# KiCad board chastity.kicad_pcb (continued)
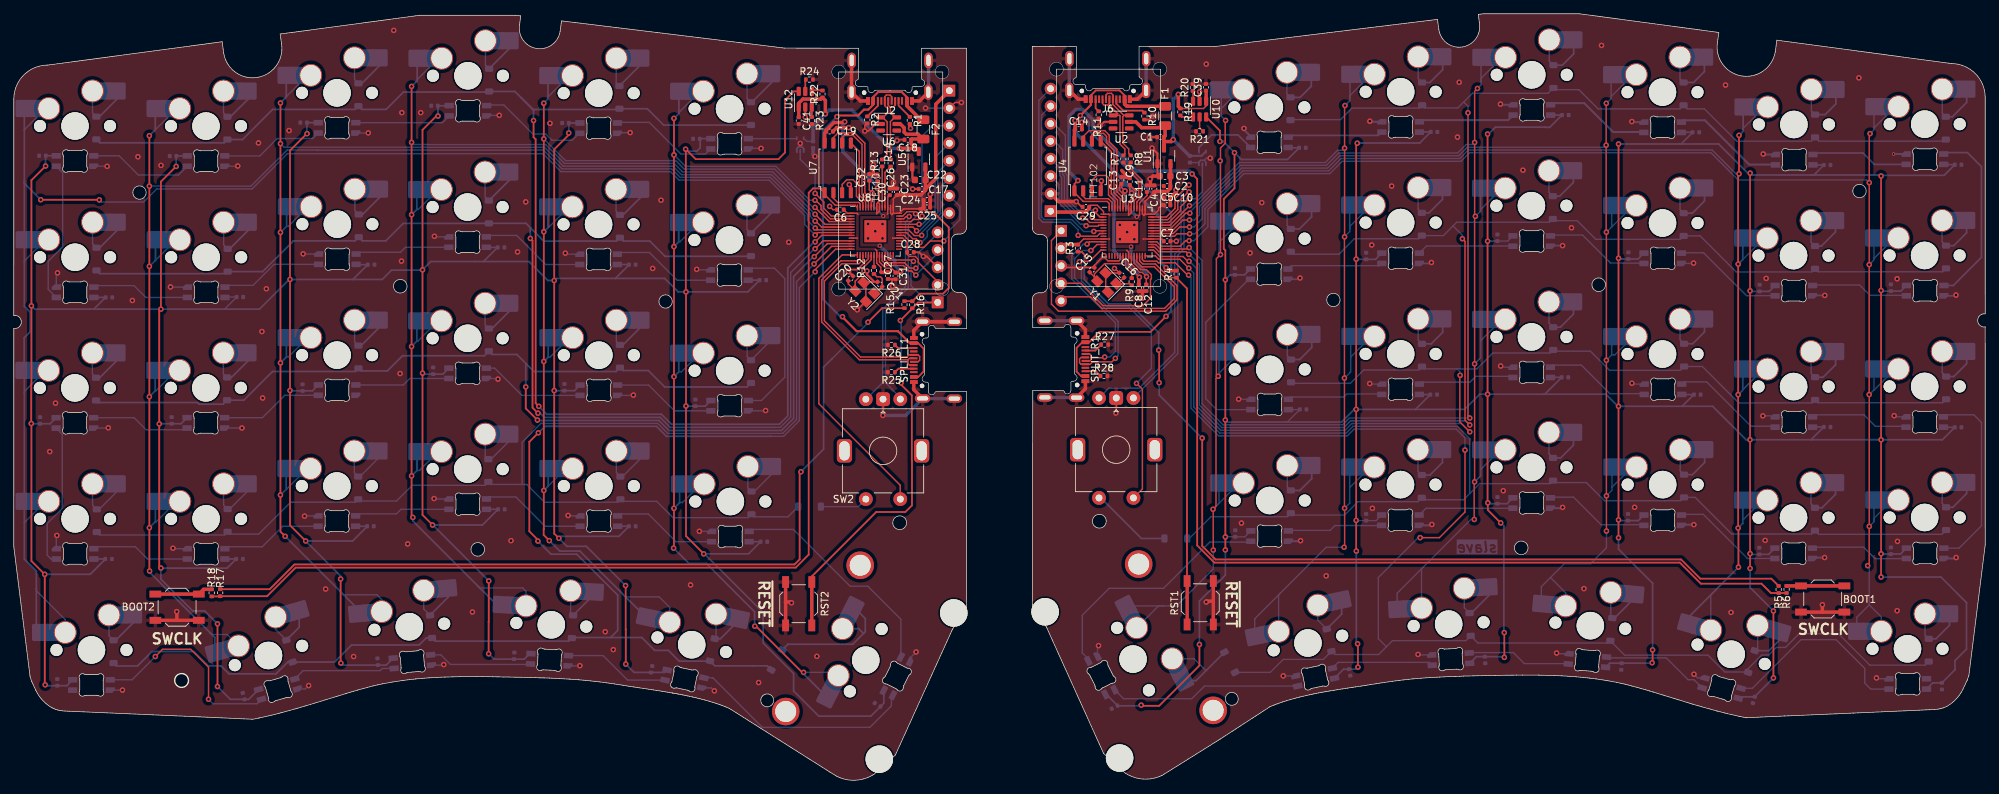
[diagram p0: board, top side]
## Footprints (pads in the part's own frame, mm; a bottom-side part is the same pattern mirrored in y, then rotated)
C_0402_1005Metric
  rrect 0.56x0.62 smd: 1(-0.48,0) 2(0.48,0)
C_0603_1608Metric
  rrect 0.9x0.95 smd: 1(-0.775,0) 2(0.775,0)
Crystal_SMD_3225-4Pin_3.2x2.5mm
  rect 1.4x1.2 smd: 1(-1.1,-0.85) 2(1.1,-0.85) 3(1.1,0.85) 4(-1.1,0.85)
D_SOD-123
  rrect 0.9x1.2 smd: 1(-1.65,0) 2(1.65,0)
DRL5
  rect 0.553x0.254 smd: 1(-0.924,0.5) 2(-0.924,0) 3(-0.924,-0.5) 4(0.924,-0.5) 5(0.924,0.5)
Fuse_1206_3216Metric
  rrect 1.25x1.75 smd: 1(-1.4,0) 2(1.4,0)
LED_MX_6028R
  rrect 1.35x0.82 smd: 1(2.725,0.75) 2(2.725,-0.75) 3(-2.725,0.75) 4(-2.725,-0.75)
PinHeader_1x08_P2.54mm_Horizontal
  rect 1.7x1.7 hole 1: 1(0,0)
  oval 1.7x1.7 hole 1: 2(0,-2.54) 3(0,-5.08) 4(0,-7.62) 5(0,-10.16) 6(0,-12.7) 7(0,-15.24) 8(0,-17.78)
PinSocket_1x05_P2.54mm_Horizontal
  rect 1.7x1.7 hole 1: 1(0,0)
  oval 1.7x1.7 hole 1: 2(0,-2.54) 3(0,-5.08) 4(0,-7.62) 5(0,-10.16)
QFN-56-1EP_7x7mm_P0.4mm_EP3.2x3.2mm
  rrect 1.29x1.29 smd: (-0.8,0.8) (-0.8,-0.8) (0.8,0.8) (0.8,-0.8)
  rrect 0.875x0.2 smd: 1(-3.438,2.6) 2(-3.438,2.2) 3(-3.438,1.8) 4(-3.438,1.4) 5(-3.438,1) 6(-3.438,0.6) 7(-3.438,0.2) 8(-3.438,-0.2) 9(-3.438,-0.6) 10(-3.438,-1) 11(-3.438,-1.4) 12(-3.438,-1.8) 13(-3.438,-2.2) 14(-3.438,-2.6) 29(3.438,-2.6) 30(3.438,-2.2) 31(3.438,-1.8) 32(3.438,-1.4) 33(3.438,-1) 34(3.438,-0.6) 35(3.438,-0.2) 36(3.438,0.2) 37(3.438,0.6) 38(3.438,1) 39(3.438,1.4) 40(3.438,1.8) 41(3.438,2.2) 42(3.438,2.6)
  rrect 0.2x0.875 smd: 15(-2.6,-3.438) 16(-2.2,-3.438) 17(-1.8,-3.438) 18(-1.4,-3.438) 19(-1,-3.438) 20(-0.6,-3.438) 21(-0.2,-3.438) 22(0.2,-3.438) 23(0.6,-3.438) 24(1,-3.438) 25(1.4,-3.438) 26(1.8,-3.438) 27(2.2,-3.438) 28(2.6,-3.438) 43(2.6,3.438) 44(2.2,3.438) 45(1.8,3.438) 46(1.4,3.438) 47(1,3.438) 48(0.6,3.438) 49(0.2,3.438) 50(-0.2,3.438) 51(-0.6,3.438) 52(-1,3.438) 53(-1.4,3.438) 54(-1.8,3.438) 55(-2.2,3.438) 56(-2.6,3.438)
  rect 3.2x3.2 smd: 57(0,0)
R_0402_1005Metric
  rrect 0.54x0.64 smd: 1(-0.51,0) 2(0.51,0)
ROT_Alps_EC11E-Switch
  round 2 hole 1: A(-2.5,-7.5) B(2.5,-7.5) S1(2.5,7) S2(-2.5,7)
  rrect 2x2 hole 1: C(0,-7.5)
  rrect 2.2x3.4 hole 1.5x2.8: MP(-5.6,0) MP(5.6,0)
SOIC-8_5.23x5.23mm_P1.27mm
  rrect 1.6x0.6 smd: 1(-3.6,1.905) 2(-3.6,0.635) 3(-3.6,-0.635) 4(-3.6,-1.905) 5(3.6,-1.905) 6(3.6,-0.635) 7(3.6,0.635) 8(3.6,1.905)
SOT-23-3
  rrect 1.325x0.6 smd: 1(-1.137,0.95) 2(-1.137,-0.95) 3(1.137,0)
SOT-23-6
  rrect 1.325x0.6 smd: 1(-1.137,0.95) 2(-1.137,0) 3(-1.137,-0.95) 4(1.137,-0.95) 5(1.137,0) 6(1.137,0.95)
SOT-23-6-routable
  rrect 1.25x0.6 smd: 1(-1.175,0.95) 2(-1.175,0) 3(-1.175,-0.95) 4(1.175,-0.95) 5(1.175,0) 6(1.175,0.95)
STAB_MX_P_2u
  round 4 hole 3.048: (-11.906,6.985) (11.906,6.985)
  round 3.988 hole 3.988 unplated: (-11.906,-8.255) (11.906,-8.255)
SW_MX_HS_1u
  round 1.75 hole 1.75 unplated: (-5.08,0) (5.08,0)
  round 3.988 hole 3.988 unplated: (0,0)
  round 3.3 hole 3: 1(3.81,2.54) 2(-2.54,5.08)
  rect 1.65x2.5 smd: 1(5.635,2.54) 2(-4.34,5.08)
  rrect 2.55x2.5 smd: 1(7.36,2.54) 2(-6.09,5.08)
SW_SPST_TL3342
  rect 1.7x1 smd: 1(-3.15,1.9) 1(3.15,1.9) 2(-3.15,-1.9) 2(3.15,-1.9)
USB_C_Receptacle_HRO_TYPE-C-31-M-14
  round 0.65 hole 0.65 unplated: (-3.75,0) (3.75,0)
  rect 0.54x1.1 smd: A1(-3.2,1.2) A4(-2.45,1.2) A9(2.45,1.2) A12(3.2,1.2) B1(3.2,1.2) B4(2.45,1.2) B9(-2.45,1.2) B12(-3.2,1.2)
  rect 0.3x1.1 smd: A5(-1.25,1.2) A6(-0.25,1.2) A7(0.25,1.2) A8(1.25,1.2) B5(1.75,1.2) B6(0.75,1.2) B7(-0.75,1.2) B8(-1.75,1.2)
  oval 1.2x2.25 hole 0.6x1.65: S1(-5.595,-4.68) S1(-5.575,-0.08) S1(5.555,-4.68) S1(5.575,-0.08)

## Nets
+1V1: C11.1 C12.1 C13.1 C30.1 C31.1 C32.1 U3.23 U3.45 U3.50 U8.23 U8.45 U8.50
+3V3: C2.1 C3.1 C4.1 C5.1 C6.1 C7.1 C8.1 C9.1 C10.1 C14.1 C17.1 C19.1 C22.1 C23.1 C24.1 C25.1 C26.1 C27.1 C28.1 C29.1 J1.1 J3.1 J4.2 J8.2 R3.2 R4.2 R15.2 R16.2 U1.2 U3.1 U3.10 U3.22 U3.33 U3.42 U3.43 U3.44 U3.48 U3.49 U4.8 U5.2 U7.8 U8.1 U8.10 U8.22 U8.33 U8.42 U8.43 U8.44 U8.48 U8.49
+5V: C1.1 C18.1 C33.2 C39.1 C40.2 C41.1 F1.2 F2.2 R19.1 R22.1 U1.3 U2.5 U5.3 U6.5 U9.5 U10.1 U11.5 U12.1
GND: BOOT1.1 BOOT2.1 C1.2 C2.2 C3.2 C4.2 C5.2 C6.2 C7.2 C8.2 C9.2 C10.2 C11.2 C12.2 C13.2 C14.2 C15.1 C16.2 C17.2 C18.2 C19.2 C20.1 C21.2 C22.2 C23.2 C24.2 C25.2 C26.2 C27.2 C28.2 C29.2 C30.2 C31.2 C32.2 C33.1 C39.2 C40.1 C41.2 C101.1 C102.1 C103.1 C104.1 C105.1 C106.1 C107.1 C108.1 C109.1 C110.1 C111.1 C112.1 C113.1 C114.1 C115.1 C116.1 C117.1 C118.1 C119.1 C120.1 C121.1 C122.1 C123.1 C124.1 C125.1 C126.1 C127.1 C128.1 C129.1 C130.1 C131.1 C132.1 C133.1 C134.1 C135.1 C136.1 C137.1 C138.1 C139.1 C140.1 C141.1 C142.1 C143.1 C144.1 C145.1 C146.1 C147.1 C148.1 C149.1 C150.1 C151.1 C152.1 C153.1 C154.1 C155.1 C156.1 C157.1 C158.1 C159.1 C160.1 J1.2 J2.A1 J2.A12 J2.B1 J2.B12 J2.S1 J3.2 J4.3 J6.A1 J6.A12 J6.B1 J6.B12 J6.S1 J8.3 LED1.4 LED2.4 LED3.4 LED4.4 LED5.4 LED6.4 LED7.4 LED8.4 LED9.4 LED10.4 LED11.4 LED12.4 LED13.4 LED14.4 LED15.4 LED16.4 LED17.4 LED18.4 LED19.4 LED20.4 LED21.4 LED22.4 LED23.4 LED24.4 LED25.4 LED26.4 LED27.4 LED28.4 LED29.4 LED30.4 LED31.4 LED32.4 LED33.4 LED34.4 LED35.4 LED36.4 LED37.4 LED38.4 LED39.4 LED40.4 LED41.4 LED42.4 LED43.4 LED44.4 LED45.4 LED46.4 LED47.4 LED48.4 LED49.4 LED50.4 LED51.4 LED52.4 LED53.4 LED54.4 LED55.4 LED56.4 LED57.4 LED58.4 LED59.4 LED60.4 R1.2 R2.2 R10.2 R11.2 R20.2 R21.2 R23.2 R24.2 R25.2 R26.2 R27.2 R28.2 RST1.1 RST2.1 SPLIT_L1.A1 SPLIT_L1.A12 SPLIT_L1.B1 SPLIT_L1.B12 SPLIT_L1.S1 SPLIT_R1.A1 SPLIT_R1.A12 SPLIT_R1.B1 SPLIT_R1.B12 SPLIT_R1.S1 SW1.C SW2.C U1.1 U2.2 U3.19 U3.57 U4.4 U5.1 U6.2 U7.4 U8.19 U8.57 U9.1 U9.3 U10.2 U11.1 U11.3 U12.2 Y1.2 Y1.4 Y2.2 Y2.4
bl: J1.8 U3.8
bl_L: J3.8 U8.35
clk: J1.4 U3.4
clk_L: J3.4 U8.38
col 0: SW1.S2 U3.14
col 0_L: SW2.S2 U8.15
col 1: MX1.1 MX7.1 MX13.1 MX19.1 MX25.1 U3.32
col 1_L: MX31.1 MX37.1 MX43.1 MX49.1 MX55.1 U8.3
col 2: MX2.1 MX8.1 MX14.1 MX20.1 MX26.1 U3.34
col 2_L: MX32.1 MX38.1 MX44.1 MX50.1 MX56.1 U8.4
col 3: MX3.1 MX9.1 MX15.1 MX21.1 MX27.1 U3.35
col 3_L: MX33.1 MX39.1 MX45.1 MX51.1 MX57.1 U8.5
col 4: MX4.1 MX10.1 MX16.1 MX22.1 MX28.1 U3.36
col 4_L: MX34.1 MX40.1 MX46.1 MX52.1 MX58.1 U8.6
col 5: MX5.1 MX11.1 MX17.1 MX23.1 MX29.1 U3.37
col 5_L: MX35.1 MX41.1 MX47.1 MX53.1 MX59.1 U8.7
col 6: MX6.1 MX12.1 MX18.1 MX24.1 MX30.1 U3.38
col 6_L: MX36.1 MX42.1 MX48.1 MX54.1 MX60.1 U8.8
cs: J1.5 U3.3
cs_L: J3.5 U8.37
CURR_LIM: R21.1 U10.5
CURR_LIM_L: R24.1 U12.5
D+: J6.A6 J6.B6 R7.2 U2.1
D-: J6.A7 J6.B7 R8.2 U2.6
D_Split_L+: SPLIT_L1.A6 SPLIT_L1.B6 U8.17
D_Split_L-: SPLIT_L1.A7 SPLIT_L1.B7 U8.16
D_Split_R+: SPLIT_R1.A6 SPLIT_R1.B6 U3.12
D_Split_R-: SPLIT_R1.A7 SPLIT_R1.B7 U3.11
dc: J1.6 U3.2
dc_L: J3.6 U8.36
DIN: J1.3 U3.5
DIN_L: J3.3 U8.39
DL+: J2.A6 J2.B6 R13.2 U6.1
DL-: J2.A7 J2.B7 R14.2 U6.6
LED_Data_3V3: U3.39 U9.2
LED_Data_3V3_L: U8.2 U11.2
LED_Data_5V: LED31.3 U9.4
LED_Data_5V_L: LED1.3 U11.4
LED_Pow_5V: C131.2 C132.2 C133.2 C134.2 C135.2 C136.2 C137.2 C138.2 C139.2 C140.2 C141.2 C142.2 C143.2 C144.2 C145.2 C146.2 C147.2 C148.2 C149.2 C150.2 C151.2 C152.2 C153.2 C154.2 C155.2 C156.2 C157.2 C158.2 C159.2 C160.2 LED31.1 LED32.1 LED33.1 LED34.1 LED35.1 LED36.1 LED37.1 LED38.1 LED39.1 LED40.1 LED41.1 LED42.1 LED43.1 LED44.1 LED45.1 LED46.1 LED47.1 LED48.1 LED49.1 LED50.1 LED51.1 LED52.1 LED53.1 LED54.1 LED55.1 LED56.1 LED57.1 LED58.1 LED59.1 LED60.1 U10.6
LED_Pow_5V_L: C101.2 C102.2 C103.2 C104.2 C105.2 C106.2 C107.2 C108.2 C109.2 C110.2 C111.2 C112.2 C113.2 C114.2 C115.2 C116.2 C117.2 C118.2 C119.2 C120.2 C121.2 C122.2 C123.2 C124.2 C125.2 C126.2 C127.2 C128.2 C129.2 C130.2 LED1.1 LED2.1 LED3.1 LED4.1 LED5.1 LED6.1 LED7.1 LED8.1 LED9.1 LED10.1 LED11.1 LED12.1 LED13.1 LED14.1 LED15.1 LED16.1 LED17.1 LED18.1 LED19.1 LED20.1 LED21.1 LED22.1 LED23.1 LED24.1 LED25.1 LED26.1 LED27.1 LED28.1 LED29.1 LED30.1 U12.6
Q_CLK: U3.52 U4.6
Q_CLK_L: U7.6 U8.52
Q_IO0: U3.53 U4.5
Q_IO0_L: U7.5 U8.53
Q_IO1: U3.55 U4.2
Q_IO1_L: U7.2 U8.55
Q_IO2: U3.54 U4.3
Q_IO2_L: U7.3 U8.54
Q_IO3: U3.51 U4.7
Q_IO3_L: U7.7 U8.51
Q_SEL: R5.1 R6.1 U3.56 U4.1
Q_SEL_L: R17.1 R18.1 U7.1 U8.56
RESET: J4.1 R4.1 RST1.2 U3.26
RESET_L: J8.1 R16.1 RST2.2 U8.26
rot A: SW1.A U3.40
rot A_L: SW2.A U8.41
rot B: SW1.B U3.41
rot B_L: SW2.B U8.40
row 0: D1.1 D2.1 D3.1 D4.1 D5.1 D6.1 U3.31
row 0_L: D33.1 D34.1 D35.1 D36.1 D37.1 D38.1 U8.9
row 1: D7.1 D8.1 D9.1 D10.1 D11.1 D12.1 U3.30
row 1_L: D39.1 D40.1 D41.1 D42.1 D43.1 D44.1 U8.11
row 2: D13.1 D14.1 D15.1 D16.1 D17.1 D18.1 U3.29
row 2_L: D45.1 D46.1 D47.1 D48.1 D49.1 D50.1 U8.12
row 3: D19.1 D20.1 D21.1 D22.1 D23.1 D24.1 D31.1 U3.28
row 3_L: D51.1 D52.1 D53.1 D54.1 D55.1 D56.1 D57.1 U8.13
row 4: D25.1 D26.1 D27.1 D28.1 D29.1 D30.1 U3.27
row 4_L: D58.1 D59.1 D60.1 D61.1 D62.1 D63.1 U8.14
rst: J1.7 U3.7
rst_L: J3.7 U8.34
SK6803_EN: R20.1 U10.3
SK6803_EN_L: R23.1 U12.3
SK6803_NFAULT: R19.2 U10.4
SK6803_NFAULT_L: R22.2 U12.4
Split_5v5_L: F1.1 F2.1 J2.A4 J2.A9 J2.B4 J2.B9 J6.A4 J6.A9 J6.B4 J6.B9 SPLIT_L1.A4 SPLIT_L1.A9 SPLIT_L1.B4 SPLIT_L1.B9 SPLIT_R1.A4 SPLIT_R1.A9 SPLIT_R1.B4 SPLIT_R1.B9
SWC: J4.4 U3.24
SWC_L: J8.4 U8.24
SWD: J4.5 U3.25
SWD_L: J8.5 U8.25
XIN: C15.2 U3.20 Y1.3
XIN_L: C20.2 U8.20 Y2.3
XOUT: R9.1 U3.21
XOUT_L: R12.1 U8.21
Net-(BOOT1-Pad2): BOOT1.2 R6.2
Net-(BOOT2-Pad2): BOOT2.2 R18.2
Net-(C16-Pad1): C16.1 R9.2 Y1.1
Net-(C21-Pad1): C21.1 R12.2 Y2.1
Net-(D1-A): D1.2 MX1.2
Net-(D2-A): D2.2 MX2.2
Net-(D3-A): D3.2 MX3.2
Net-(D4-A): D4.2 MX4.2
Net-(D5-A): D5.2 MX5.2
Net-(D6-A): D6.2 MX6.2
Net-(D7-A): D7.2 MX7.2
Net-(D8-A): D8.2 MX8.2
Net-(D9-A): D9.2 MX9.2
Net-(D10-A): D10.2 MX10.2
Net-(D11-A): D11.2 MX11.2
Net-(D12-A): D12.2 MX12.2
Net-(D13-A): D13.2 MX13.2
Net-(D14-A): D14.2 MX14.2
Net-(D15-A): D15.2 MX15.2
Net-(D16-A): D16.2 MX16.2
Net-(D17-A): D17.2 MX17.2
Net-(D18-A): D18.2 MX18.2
Net-(D19-A): D19.2 MX19.2
Net-(D20-A): D20.2 MX20.2
Net-(D21-A): D21.2 MX21.2
Net-(D22-A): D22.2 MX22.2
Net-(D23-A): D23.2 MX23.2
Net-(D24-A): D24.2 MX24.2
Net-(D25-A): D25.2 MX25.2
Net-(D26-A): D26.2 MX26.2
Net-(D27-A): D27.2 MX27.2
Net-(D28-A): D28.2 MX28.2
Net-(D29-A): D29.2 MX29.2
Net-(D30-A): D30.2 MX30.2
Net-(D31-A): D31.2 SW1.S1
Net-(D33-A): D33.2 MX31.2
Net-(D34-A): D34.2 MX32.2
Net-(D35-A): D35.2 MX33.2
Net-(D36-A): D36.2 MX34.2
Net-(D37-A): D37.2 MX35.2
Net-(D38-A): D38.2 MX36.2
Net-(D39-A): D39.2 MX37.2
Net-(D40-A): D40.2 MX38.2
Net-(D41-A): D41.2 MX39.2
Net-(D42-A): D42.2 MX40.2
Net-(D43-A): D43.2 MX41.2
Net-(D44-A): D44.2 MX42.2
Net-(D45-A): D45.2 MX43.2
Net-(D46-A): D46.2 MX44.2
Net-(D47-A): D47.2 MX45.2
Net-(D48-A): D48.2 MX46.2
Net-(D49-A): D49.2 MX47.2
Net-(D50-A): D50.2 MX48.2
Net-(D51-A): D51.2 SW2.S1
Net-(D52-A): D52.2 MX49.2
Net-(D53-A): D53.2 MX50.2
Net-(D54-A): D54.2 MX51.2
Net-(D55-A): D55.2 MX52.2
Net-(D56-A): D56.2 MX53.2
Net-(D57-A): D57.2 MX54.2
Net-(D58-A): D58.2 MX55.2
Net-(D59-A): D59.2 MX56.2
Net-(D60-A): D60.2 MX57.2
Net-(D61-A): D61.2 MX58.2
Net-(D62-A): D62.2 MX59.2
Net-(D63-A): D63.2 MX60.2
Net-(J2-CC1): J2.A5 R1.1
Net-(J2-CC2): J2.B5 R2.1
Net-(J6-CC1): J6.A5 R10.1
Net-(J6-CC2): J6.B5 R11.1
Net-(LED1-DOUT): LED1.2 LED2.3
Net-(LED2-DOUT): LED2.2 LED3.3
Net-(LED3-DOUT): LED3.2 LED4.3
Net-(LED4-DOUT): LED4.2 LED5.3
Net-(LED5-DOUT): LED5.2 LED6.3
Net-(LED7-DIN): LED7.3 LED8.2
Net-(LED8-DIN): LED8.3 LED9.2
Net-(LED10-DIN): LED10.3 LED11.2
Net-(LED10-DOUT): LED9.3 LED10.2
Net-(LED11-DIN): LED11.3 LED12.2
Net-(LED12-DIN): LED6.2 LED12.3
Net-(LED13-DIN): LED7.2 LED13.3
Net-(LED13-DOUT): LED13.2 LED14.3
Net-(LED14-DOUT): LED14.2 LED15.3
Net-(LED15-DOUT): LED15.2 LED16.3
Net-(LED16-DOUT): LED16.2 LED17.3
Net-(LED17-DOUT): LED17.2 LED18.3
Net-(LED18-DOUT): LED18.2 LED24.3
Net-(LED19-DIN): LED19.3 LED20.2
Net-(LED19-DOUT): LED19.2 LED25.3
Net-(LED20-DIN): LED20.3 LED21.2
Net-(LED21-DIN): LED21.3 LED22.2
Net-(LED22-DIN): LED22.3 LED23.2
Net-(LED23-DIN): LED23.3 LED24.2
Net-(LED25-DOUT): LED25.2 LED26.3
Net-(LED26-DOUT): LED26.2 LED27.3
Net-(LED27-DOUT): LED27.2 LED28.3
Net-(LED28-DOUT): LED28.2 LED29.3
Net-(LED29-DOUT): LED29.2 LED30.3
Net-(LED31-DOUT): LED31.2 LED32.3
Net-(LED32-DOUT): LED32.2 LED33.3
Net-(LED33-DOUT): LED33.2 LED34.3
Net-(LED34-DOUT): LED34.2 LED35.3
Net-(LED35-DOUT): LED35.2 LED36.3
Net-(LED36-DOUT): LED36.2 LED42.3
Net-(LED37-DIN): LED37.3 LED38.2
Net-(LED37-DOUT): LED37.2 LED43.3
Net-(LED38-DIN): LED38.3 LED39.2
Net-(LED39-DIN): LED39.3 LED40.2
Net-(LED40-DIN): LED40.3 LED41.2
Net-(LED41-DIN): LED41.3 LED42.2
Net-(LED43-DOUT): LED43.2 LED44.3
Net-(LED44-DOUT): LED44.2 LED45.3
Net-(LED45-DOUT): LED45.2 LED46.3
Net-(LED46-DOUT): LED46.2 LED47.3
Net-(LED47-DOUT): LED47.2 LED48.3
Net-(LED48-DOUT): LED48.2 LED54.3
Net-(LED49-DIN): LED49.3 LED50.2
Net-(LED49-DOUT): LED49.2 LED55.3
Net-(LED50-DIN): LED50.3 LED51.2
Net-(LED51-DIN): LED51.3 LED52.2
Net-(LED52-DIN): LED52.3 LED53.2
Net-(LED53-DIN): LED53.3 LED54.2
Net-(LED55-DOUT): LED55.2 LED56.3
Net-(LED56-DOUT): LED56.2 LED57.3
Net-(LED57-DOUT): LED57.2 LED58.3
Net-(LED58-DOUT): LED58.2 LED59.3
Net-(LED59-DOUT): LED59.2 LED60.3
Net-(R3-Pad1): R3.1 R5.2
Net-(R15-Pad1): R15.1 R17.2
Net-(SPLIT_L1-CC1): R25.1 SPLIT_L1.A5
Net-(SPLIT_L1-CC2): R26.1 SPLIT_L1.B5
Net-(SPLIT_R1-CC1): R27.1 SPLIT_R1.A5
Net-(SPLIT_R1-CC2): R28.1 SPLIT_R1.B5
Net-(U3-USB_DM): R8.1 U3.46
Net-(U3-USB_DP): R7.1 U3.47
Net-(U8-USB_DM): R14.1 U8.46
Net-(U8-USB_DP): R13.1 U8.47

Pads without a net: J2 A8 B8; J6 A8 B8; LED30 2; LED60 2; SPLIT_L1 A8 B8; SPLIT_R1 A8 B8; SW1 MP; SW2 MP; U2 3 4; U3 6 9 13 15 16 17 18; U6 3 4; U8 18 27 28 29 30 31 32

## Via types
v1: diameter 0.8, hole 0.4, Top to Bottom, 404 vias
v2: diameter 0.5, hole 0.3, Top to Bottom, 1 via
v3: diameter 0.6, hole 0.35, Top to Bottom, 4 vias

## Routing (per net, layer and track width the routed paths; a pad name or vN(x,y) marks a point on that pad's centre or on a via; arc(x,y) is an arc through that point)
+1V1: length 45.5
  Top w0.2: C32.1 124.16,85.64 v1(124.57,85.23) 124.83,84.97 U8.50 ; 127.95,73.69 127.37,74.28 126.53,74.28 125.63,75.18 U8.23 ; C12.1 164.35,73.03 v1(164.39,73.06) 163.77,73.68 163.37,73.68 162.18,74.87 U3.23 ; v1(161.26,85.5) 160.74,86.03 C13.1 160.47,86.28 160.47,85.57 161.38,84.67 U3.50 ; C11.1 164.45,84.82 163.38,83.75 U3.45 163.38,82.02 163.15,81.79 ; 126.75,82.12 126.83,82.19 U8.45 126.83,84.6 C30.1
  Top w0.5: C31.1 128.58,73.65 128.7,73.78 v1(128.7,73.85)
  Bottom w0.3: v3(126.19,81.85) 124.77,83.27 124.77,85.03 v1(124.57,85.23)
  Bottom w0.5: v1(164.39,73.06) 164.39,73.62 162.14,75.86 v3(162.14,77.42) ; v1(128.7,73.85) 127.84,74.71 127.84,75.47 127.74,75.47 v3(125.67,77.55) ; v3(162.97,81.74) 161.26,83.45 v1(161.26,85.5)
+3V3: length 196.4
  Top w0.2: 131.48,82.89 131.48,82.89 129.1,82.89 U8.42 127.61,82.25 127.42,82.07 ; 127.42,82.07 127.63,82.27 U8.43 127.63,84.34 C23.1 ; 127.42,82.07 127.23,82.26 U8.44 ; 125.43,83.85 125.63,83.65 U8.48 125.63,82.58 125.23,82.18 U8.49 125.23,83.65 125.43,83.85 ; 125.43,83.85 125.63,84.05 125.63,85.58 v1(125.33,85.88) 125.34,85.9 C26.1 ; 125.83,73.74 125.83,74.42 125.23,75.02 U8.22 125.23,76.82 125.02,77.02 ; U3.44 163.78,82.15 163.98,81.95 ; C7.1 166.57,78.52 U3.33 163.9,78.52 163.89,78.52 ; C6.1 120.97,82.25 U8.1 122.36,82.25 122.52,82.09 ; 161.53,76.91 161.53,76.86 161.78,76.62 U3.22 161.78,74.55 v1(163.35,72.98) ; U8.10 122.42,78.65 122.43,78.66 ; 127.53,78.65 127.54,78.65 U8.33 129,78.65 129.65,78 C28.1 129.65,76.31 129.97,75.99 130.84,75.99 131.26,75.57 131.26,75.14 134.07,72.32 ; 166.6,83.46 166.14,82.99 166.14,82.72 165.54,82.12 U3.42 164.16,82.12 163.98,81.95 ; 163.98,81.95 164.18,82.14 U3.43 164.18,83.98 C4.1 ; 162.13,84.2 161.78,83.85 U3.49 161.78,81.96 162.18,82.36 U3.48 162.18,83.71 161.97,83.92 161.97,84.04 162.85,84.92 162.85,85.48 C9.1 161.95,85.8 161.96,85.79 161.96,85.46 v1(162.22,85.2) ; C29.1 156.31,83.41 157.25,83.41 158.14,82.52 U3.1 158.95,82.12 159.08,81.99 ; 159.01,78.53 159,78.52 U3.10 155.26,78.52 R3.2
  Top w0.25: C25.1 132.03,82.88 132.49,82.43 133.46,82.43 135.68,80.2 135.68,71.42 134.86,70.6 131.49,70.6 130.41,69.51 R15.2
  Top w0.5: C4.1 165.63,85.43 167.4,85.43 167.85,85.88 C2.1 ; 150.6,82.42 155.5,82.42 156.08,82.99 C29.1 ; v1(120.58,95.53) 120.47,95.42 119.02,95.42 117.91,94.3 C19.1 117.67,93.88 U7.8 ; R4.2 167.65,73.93 v1(167.21,74.38) ; U1.2 167.87,87.67 ; v1(154.01,95.72) 154.04,95.69 C14.1 153.92,94.33 U4.8 ; C27.1 125.89,73.68 125.83,73.74 ; 132.03,84.17 132.03,83.1 C25.1 131.82,82.89 131.48,82.89 ; C3.1 167.84,86.2 ; U5.2 132.29,85.78 ; R3.2 154.41,77.72 152.54,77.72 J4.2 ; C5.1 166.63,83.43 166.6,83.46 ; J3.1 133.79,98.06 133.79,87.27 C17.1 132.29,85.59 131.63,84.93 128.21,84.93 C23.1 ; v1(163.35,72.98) 163.28,72.91 C8.1
  Bottom w0.5: v1(163.35,72.98) 163.35,73.1 159.67,76.78 159.67,85.11 160.91,86.35 161.61,86.35 166.47,81.5 166.47,75.12 v1(167.21,74.38) ; v1(120.58,95.53) 120.32,95.27 120.32,91.16 125.33,86.15 v1(125.33,85.88) ; v1(162.22,85.2) 162.22,85.82 154,94.04 154,95.71 v1(154.01,95.72)
+5V: length 70.4
  Top w0.2: R19.1 169.3,97.45 172.66,97.45 173.04,97.83 U10.1
  Top w0.5: v1(128.51,91.67) 130.9,91.67 ; C39.1 173.04,100.02 U10.1 ; v1(169.01,99.5) 169.01,97.75 R19.1 ; 130.9,91.67 130.22,92.35 130.22,92.92 130.33,93.02 F2.2 ; 130.9,91.67 U5.3 ; v1(168.26,92.94) 167.98,92.66 166.89,92.66 ; C41.1 U12.1 113.91,98.22 114.51,98.82 117.14,98.82 R22.1 117.78,98.63 v1(117.78,96.67) ; 166.89,92.66 C1.1 167.07,93.49 F1.2 ; 166.89,92.66 166.89,91.75 ; 166.77,94.67 163.67,94.67 162.83,95.51 U2.5 ; 131.92,93.02 131.22,93.72 129.52,93.72 129.21,94.03 129.21,94.66 128.66,95.21 U6.5
  Bottom w0.2: U11.5 115.08,92.68 C40.2
  Bottom w0.3: 170.7,90.59 172.37,90.59 U9.5
  Bottom w0.5: 170.63,90.57 v1(168.26,92.94) 168.26,98.76 v1(169.01,99.5) ; v1(128.51,91.67) 127.2,91.67 121.65,97.22 118.33,97.22 v1(117.78,96.67) 116,94.89 C40.2
GND: length 333.2
  Top w0.2: SW1.C 159.99,53.32 v1(159.93,53.27) ; U8.19 124.03,75.68 122.41,74.07 121.4,74.07 v1(121.13,73.8) ; v1(159.73,74.25) 159.8,74.25 C16.2 ; v1(118.39,83.26) 118.87,82.78 C6.2 ; v1(168.71,78.2) 168.71,78.2 C7.2 ; v1(122.41,68.25) 123.6,69.45 Y2.4 123.66,69.46 123.66,71.87 Y2.2 ; J3.2 136.59,98.32 v1(137.52,98.32) ; SW2.C 126.15,52.95 v1(126.12,52.92) ; R2.2 123.49,94.93 v1(123.49,94.17) ; Y1.2 160.43,73.59 ; C18.2 128.28,92.92 v1(128.17,92.81) ; U3.19 160.58,75.55 160.37,75.35 158.78,75.35 158.22,75.91 v1(158.22,76.11) 156.81,74.7 C15.1 ; 158.46,73.57 158.46,71.17
  Top w0.25: J4.3 152.24,74.39 156.81,74.39 C15.1 ; U10.2 172.09,99.87 v1(172.08,99.88) ; U7.4 121.48,86.19 v1(121.25,86.42) ; R11.2 157.63,95.83 v1(157.63,94.95) 158.2,95.52 159.84,95.52 ; C1.2 164.85,93.31 v1(164.82,93.28) ; v1(154.19,83.96) 154.97,83.18 ; J8.3 132.48,76 v1(131.99,76) 131.39,76.6 C28.2 ; C3.2 165.97,87.98 U1.1 ; C27.2 127.93,72.72 ; R10.2 164.77,95.84 v1(165.26,96.33) ; v1(127.53,71.67) 127.46,71.74 127.46,72.68 127.42,72.72 ; v1(123.49,94.17) 124,94.17 125.04,95.21 U6.2 ; U12.2 v1(114.86,96.2)
  Top w0.3: 123.41,72.29 C21.2 124.89,72.29 123.8,73.38 v1(123.8,73.88) ; v1(165.2,91.71) 165.97,90.94 U1.1 ; 157.83,85.62 v1(157.83,86.96) ; v1(130.44,85.78) C17.2 ; 130.41,88.94 130.41,87.45 C22.2 ; v1(121.13,73.8) C20.1
  Top w0.5: v1(133,85) 132.99,85 C24.2 ; 112.01,25.87 RST2.1 ; 112.01,25.87 RST2.1 ; 112.01,25.87 112.74,25.87 v1(112.86,25.75) ; 164.96,86.29 164.47,86.29 ; 164.96,86.29 164.96,87.17 v1(164.9,87.23) 165.32,87.65 C3.2 ; 164.96,86.29 C4.2 ; 174.08,25.98 RST1.1 ; 174.08,25.98 RST1.1 ; 174.08,25.98 173.18,25.98 v1(173.05,25.85) ; 23.67,23.21 BOOT2.1 ; 23.67,23.21 BOOT2.1 ; 23.67,23.21 23.67,24.44 v1(23.64,24.47) ; 124.72,87.86 124.72,89.26 v1(124.74,89.28) ; 124.72,87.86 C26.2 ; 124.72,87.86 124.25,87.86 C32.2 ; v1(121.17,94.68) 119.43,94.68 C19.2 ; 127.64,85.84 127.64,86.7 v1(127.67,86.72) ; 127.64,85.84 C30.2 ; 127.64,85.84 C23.2 ; SPLIT_R1.S1 155.51,65.39 SPLIT_R1.A1 ; SPLIT_L1.A12 130.61,65.26 SPLIT_L1.S1 136.47,66.54 SPLIT_L1.S1 131.91,66.52 ; C25.2 132.99,83.1 132.99,84.17 ; 131.89,55.39 130.61,56.67 SPLIT_L1.A1 ; 163.8,70.96 v1(163.8,69.93) ; 163.8,70.96 C8.2 ; 163.8,70.96 164.34,70.96 ; C10.2 168.66,85.32 v1(168.66,85.64) ; C13.2 161.34,87.51 ; 161.34,87.51 161.34,87.51 161.34,87.92 160.79,88.47 ; 161.34,87.51 161.78,87.51 C9.2 ; 153.18,100.08 154.46,98.8 J6.A12 ; C5.2 167.84,84.47 ; J6.A1 163.05,98.8 J6.S1 ; J2.A1 131.45,98.55 132.73,99.83 ; v1(130.14,94.57) 130.04,94.67 R1.2 ; 262.47,24.4 v1(262.47,25.47) ; 262.47,24.4 BOOT1.1 ; 262.47,24.4 BOOT1.1 ; J2.A12 122.86,98.55 J2.S1 121.58,104.41 ; SPLIT_R1.S1 155.51,56.8 SPLIT_R1.A12 ; v1(154.19,83.96) 151.6,83.96 J1.2 ; C14.2 155,95.43 v1(154.98,95.46)
  Bottom w0.2: v1(61,40.86) 61.05,40.81 LED21.4 ; v1(51.45,93.91) 51.42,93.89 LED4.4 ; 172.8,89.88 172.75,89.94 172.24,89.94 ; 172.8,89.88 172.8,90 173.05,90.25 v1(173.63,90.25) ; 172.8,89.88 173,89.69 U9.1 ; v1(42,76.36) 42.02,76.34 LED10.4 ; LED59.4 244.36,14.85 v1(243.83,15.38) ; LED15.4 70.17,58.29 v1(70.27,58.19) ; v1(22.75,71.56) 22.77,71.54 LED11.4 ; v1(196.78,57.55) 196.85,57.48 LED44.4 ; v1(15.77,13.09) 15.76,13.08 LED30.4 ; 172.24,89.94 171.92,89.61 C33.1 ; 172.24,89.94 172,89.69 U9.3 ; LED22.4 42.24,38.36 v1(42.2,38.31) ; v1(80.05,76.46) 80.19,76.32 LED8.4 ; LED55.4 157.27,19.39 v1(157.42,19.54) ; v1(13.55,89.06) 13.53,89.08 LED6.4 ; v1(223.89,18.46) 223.99,18.36 LED58.4 ; LED40.4 243.72,74.98 v1(243.77,75.03) ; LED7.4 99.17,74.04 v1(99.1,74.11) ; v1(184.23,15.15) 184.24,15.13 LED56.4 ; LED46.4 234.94,57.48 v1(234.82,57.59) ; v1(101.67,12.97) 101.24,13.4 LED26.4 ; v1(80.45,38.41) 80.51,38.35 LED20.4 ; v1(82.15,16.63) 82.11,16.59 LED27.4 ; LED17.4 33.1,51.1 v1(33.1,51.1) ; v1(272.88,52.89) 273.05,52.73 LED48.4 ; v1(32.5,89.11) 32.45,89.07 LED5.4 ; v1(89.45,93.96) 89.43,93.94 87.58,93.94 ; LED14.4 89.87,55.83 v1(89.92,55.88) ; LED13.4 109.06,53.59 v1(109.1,53.63) ; J3.2 132.32,97.5 v1(132.31,97.5) ; v1(270.31,14.85) 270.43,14.73 LED60.4 ; v1(61.05,78.91) 61.14,78.82 LED9.4 ; 255.46,52.87 v1(253.83,52.87) ; LED43.4 177.76,55.27 v1(177.75,55.29) ; 106.65,91.67 108.43,91.67 v1(108.44,91.67) ; v1(42.79,13.74) 42.3,13.25 LED29.4 ; LED24.4 6.17,35.44 v1(6.25,35.51) ; LED18.4 13.68,51.09 v1(13.72,51.13) ; 130.07,17.74 v1(130.95,18.61) ; LED28.4 62.31,16.7 v1(62.4,16.79) ; LED23.4 23.16,33.6 v1(23.1,33.66) ; v1(70.46,96.46) 70.45,96.45 68.59,96.45 ; LED45.4 215.95,59.93 v1(215.77,60.1) ; LED12.4 6.17,73.44 v1(6.35,73.61) ; v1(203.78,18.25) 203.85,18.18 LED57.4 ; LED19.4 99.5,36.11 v1(99.5,36.11)
  Bottom w0.25: v1(186.66,72.86) 186.48,72.68 LED37.4 ; 114.12,91.89 114.39,91.89 114.63,91.65 U11.1 ; 114.12,91.89 114.12,92.37 v1(114.13,92.38) ; 114.12,91.89 113.88,91.89 113.63,91.65 U11.3 ; 223.08,77.56 v1(224.76,77.56) ; v1(281.86,70.39) 281.75,70.28 LED42.4 ; 261.11,70.34 v1(262.81,70.34) ; LED38.4 205.6,74.98 v1(205.74,75.11)
  Bottom w0.3: LED49.4 186.65,34.68 v1(186.74,34.76) ; v1(178.53,94.56) 178.53,94.38 179.54,93.36 ; 242.03,37.07 243.8,37.07 v1(243.81,37.09) ; v1(234.82,95.56) 234.89,95.48 LED34.4 ; v2(272.81,90.85) 272.82,90.85 LED36.4 ; v1(281.89,32.31) 281.75,32.18 LED54.4 ; 261.15,32.31 v1(262.79,32.31) ; v1(253.89,90.85) 253.96,90.78 LED35.4 ; v1(224.76,39.59) 224.65,39.48 LED51.4 ; v1(196.8,95.61) 196.87,95.53 LED32.4 ; LED33.4 215.83,98 v1(215.74,98.08) ; LED50.4 205.65,36.98 v1(205.79,37.11)
  Bottom w0.5: v1(160.52,78.49) 161.56,79.53 v1(161.58,79.53) ; v1(160.52,78.49) 162.61,78.49 v1(162.62,78.48) ; v1(160.52,78.49) 160.52,80.58 v1(160.52,80.59) 162.6,80.59 v1(162.62,80.57) ; v1(162.62,80.57) 162.62,80.57 v1(161.58,79.53) ; v1(162.62,80.57) v1(162.62,78.48) ; 131.89,55.39 129.43,52.92 v1(126.12,52.92) ; v1(161.58,79.53) 161.58,79.52 v1(162.62,78.48) ; C40.1 116,90.77 v1(116.27,90.5) ; SPLIT_L1.S1 131.91,55.37 ; J6.S1 164.33,104.66 ; SPLIT_R1.S1 154.21,66.69 ; 153.18,100.08 153.18,104.66 ; 132.75,104.43 132.75,99.85 ; SPLIT_R1.S1 154.21,55.54
  vias: v1(5.22,47.68) v1(6.06,54.7) v1(17.21,69.6) v1(18.01,90.45) v1(21.36,89.2) v1(35.51,92.45) v1(36,65.09) v1(36.11,55.45) v1(36.66,71.3) v1(39.96,94.25) v1(45.26,27.74) v1(49.31,17.95) v1(55.14,108.78) v1(56.06,59) v1(56.31,96.85) v1(56.26,75.3) v1(57.16,34.29) v1(59.06,96.85) v1(66.56,24.41) v1(72.15,34.76) v1(73.11,76.65) v1(74.29,83.91) v1(77.81,95.3) v1(85.84,21.55) v1(87.01,18.95) v1(92.71,74.25) v1(93.93,84.15) v1(98.21,28.34) v1(108.09,14.18) v1(109.84,25.11) v1(112.46,78.05) v1(116.54,17.98) v1(123.97,80.71) v1(123.97,78.61) v1(125.03,79.65) v1(126.07,80.69) v1(126.07,78.6) v1(173.06,103.89) v1(178.16,37.3) v1(179.41,76.5) v1(181.11,83.8) v1(190.46,29.65) v1(197.06,77.65) v1(197.16,39.45) v1(199.96,86.2) v1(209.51,93.3) v1(209.76,101.25) v1(216.16,42) v1(219.01,88.5) v1(226.06,80.15) v1(227.86,27.8) v1(230.41,106.6) v1(235.21,39.6) v1(248.41,100.85) v1(249.21,24.35) v1(254.16,34.8) v1(254.31,72.8) v1(267.76,101.9) v1(273.31,72.75) v1(273.31,24.6) v1(273.36,34.65)
bl: length 30.6
  Top w0.2: U3.8 157.61,79.32 157.21,78.92 154.59,78.92 v1(154.46,79.05)
  Bottom w0.2: v1(154.46,79.05) 154.46,79.85 153.36,80.95 149.31,80.95 148.76,81.51 148.76,98.63 J1.8
bl_L: length 9.5
  Top w0.2: U8.35 129.56,79.45 130.46,78.55 130.96,78.55 v1(131.51,78)
  Bottom w0.2: 135.13,82.26 132.56,79.69 132.56,78.86 131.7,78 v1(131.51,78)
clk: length 14.2
  Top w0.2: v1(155.13,81.56) 155.5,81.56 156.14,80.92 U3.4
  Bottom w0.2: v1(155.13,81.56) 154.47,81.56 152.07,83.96 152.07,87.45 151.81,87.71 151.81,88.82 J1.4
clk_L: length 16.8
  Top w0.2: v1(131.38,80.65) 131.37,80.65 U8.38
  Bottom w0.2: v1(131.38,80.65) 131.83,80.65 133.7,82.52 133.7,90.35 J3.4
col 0: length 46.4
  Top w0.2: SW1.S2 163.79,42.26 163.79,56.72 v1(162.93,57.58) ; U3.14 157.76,76.92 156.12,75.28 155.37,75.28 155.32,75.23 v1(154.64,75.23)
  Bottom w0.2: v1(162.93,57.58) 165.08,59.74 165.08,65.4 161.8,68.68 158.7,68.68 154.94,72.44 154.94,74.93 v1(154.64,75.23)
col 0_L: length 43.9
  Top w0.2: U8.15 120.21,76.21 116.84,72.83 116.84,54.62 128.65,42.8 SW2.S2
col 1: length 227.1
  Top w0.2: v1(269.39,93.81) 269.27,93.69 v1(269.27,86.7) 269.27,74.81 v1(269.27,74.81) 269.26,74.8 v1(269.26,55.95) 269.27,55.94 v1(269.27,36.83) 269.27,36.82 269.27,31.37 v1(269.04,31.14) ; U3.32 165.88,78.12 166.52,77.48 169.26,77.48 170.06,78.28 v1(170.56,78.28)
  Bottom w0.2: v1(269.27,36.83) 269.95,37.51 ; 269.95,37.51 269.95,37.99 272.62,40.66 MX19.1 ; 269.95,37.51 269.95,40.66 ; v1(269.39,93.81) 269.96,94.39 269.96,94.6 ; v1(269.04,31.14) 269.27,30.91 269.27,25.45 ; MX13.1 273.04,59.67 269.99,56.63 269.94,56.63 ; MX25.1 271.01,23.7 269.27,25.45 ; v1(170.56,78.28) 171.28,78.28 173.29,80.29 173.29,82.78 178.52,88.01 190.99,88.01 192.77,89.8 210.02,89.8 211.25,91.03 246.3,91.03 250.24,87.09 268.88,87.09 v1(269.27,86.7) ; 269.27,25.45 267.46,23.64 MX25.1 ; 269.96,94.6 269.96,94.64 273.05,97.72 MX1.1 ; 269.96,94.6 MX1.1 ; MX7.1 272.93,78.67 270.01,75.75 269.94,75.75 ; v1(269.26,55.95) 269.94,56.63 ; 269.94,56.63 269.95,56.64 269.95,59.67 ; 269.94,75.75 269.94,75.48 v1(269.27,74.81) ; 269.94,75.75 MX7.1
col 1_L: length 164.6
  Top w0.2: U8.3 118.5,81.45 117.15,82.8 117.15,83.36 116.37,84.14 v1(116.27,84.14)
  Top w0.25: v1(107.54,22.35) 107.71,22.35 114.41,15.65 v1(114.61,15.65) ; v1(95.8,96.02) v1(95.8,90.73) v1(95.8,77.41) v1(95.8,58.55) v1(95.8,39.45) 95.8,33.72 v1(95.75,33.68)
  Bottom w0.2: v1(114.61,15.65) 119.18,15.65 MX55.1 ; v1(116.27,84.14) 115.51,84.14 110.59,89.06 97.47,89.06 v1(95.8,90.73) ; 96.63,40.29 97.03,40.29 99.72,42.98 MX49.1 ; MX37.1 99.47,80.91 96.67,78.11 96.5,78.11 ; MX31.1 99.6,99.95 96.55,96.9 96.52,96.9 ; 96.53,59.27 96.92,59.27 99.61,61.96 MX43.1
  Bottom w0.25: MX49.1 96.63,40.29 v1(95.8,39.45) ; MX55.1 114.61,15.44 v1(114.61,15.65) ; MX43.1 96.53,59.27 v1(95.8,58.55) ; v1(107.54,22.35) 107.51,22.38 107.51,24.44 100.52,31.43 100.52,31.44 97.99,31.44 v1(95.75,33.68) ; v1(95.8,77.41) 96.5,78.11 MX37.1 ; MX31.1 96.52,96.74 v1(95.8,96.02)
col 2: length 208
  Top w0.2: U3.34 168.44,78.92 168.8,79.28 170.64,79.28 v1(170.64,79.27)
  Top w0.25: v1(250.29,30.91) 250.29,36.54 v1(250.24,36.59) 250.24,36.59 250.24,55.94 v1(250.25,55.94) 250.25,74.88 v1(250.25,74.88) 250.24,74.89 250.24,87.85 v1(250.37,87.98) 250.37,87.99 v1(250.37,93.56)
  Bottom w0.2: 250.97,94.5 250.97,94.59 254.06,97.67 MX2.1 ; MX20.1 253.79,40.63 251.06,37.9 250.92,37.9 ; v1(170.64,79.27) 171.39,79.27 172.86,80.75 172.86,82.92 178.35,88.41 190.82,88.41 192.61,90.2 209.86,90.2 211.09,91.43 246.47,91.43 249.91,87.98 v1(250.37,87.98) ; 250.93,56.63 250.93,56.67 253.91,59.65 MX14.1 ; 246.52,27.14 246.27,26.89 MX26.1 ; MX8.1 254.01,78.65 250.92,75.57 250.92,75.55
  Bottom w0.25: v1(250.37,93.56) 250.97,94.16 MX2.1 ; v1(250.25,55.94) 250.93,56.63 MX14.1 ; v1(250.29,30.91) 246.96,27.59 246.96,27.58 242.86,23.47 ; MX8.1 250.92,75.55 v1(250.25,74.88) ; MX20.1 250.92,37.27 v1(250.24,36.59)
col 2_L: length 175.6
  Top w0.2: U8.4 118.34,81.05 v1(116.28,83.11)
  Top w0.25: v1(77.72,34.77) 76.9,35.58 76.9,36.45 76.91,36.46 v1(76.91,42.04) v1(76.91,60.75) v1(76.91,79.57) v1(76.91,93.05) v1(76.91,98.22)
  Bottom w0.2: MX56.1 95.18,25.08 93.66,26.6 88.79,26.6 88.65,26.74 ; v1(76.91,93.05) 80.07,89.89 96.07,89.89 97.3,88.66 110.42,88.66 115.97,83.11 v1(116.28,83.11) ; 77.51,80.16 77.57,80.16 80.59,83.19 MX38.1 ; MX32.1 80.61,102.22 77.64,99.25 77.53,99.25 ; MX44.1 80.63,64.2 77.82,61.38 77.55,61.38 ; MX50.1 80.1,45.22 77.55,42.68
  Bottom w0.25: MX50.1 77.55,42.68 v1(76.91,42.04) ; MX32.1 77.53,98.83 v1(76.91,98.22) ; MX44.1 77.55,61.38 v1(76.91,60.75) ; v1(77.72,34.77) 79.23,33.25 82.14,33.25 MX56.1 ; MX38.1 77.51,80.16 v1(76.91,79.57)
col 3: length 192.1
  Top w0.2: v1(231.13,36.15) v1(231.13,41.26) 231.12,41.27 v1(231.12,60.93) 231.12,79.45 231.11,79.47 ; v1(170.61,80.27) 170.61,80.27 169.22,80.27 168.27,79.32 U3.35 ; v1(231.11,98.21) 231.09,98.19 v1(231.09,92.13) 231.09,79.55 v1(231.12,79.52)
  Bottom w0.2: 223,29.41 225.22,27.2 MX27.1 ; 223,29.41 225.01,31.42 228.81,31.42 231.13,33.74 v1(231.13,36.15) ; 223,29.41 221.68,28.09 MX27.1 ; v1(231.13,41.26) 231.93,42.06 231.93,42.45 ; 231.91,61.72 v1(231.12,60.93) ; 231.91,61.72 232.35,61.72 235,64.37 MX15.1 ; 231.91,61.72 231.91,64.37 ; 231.91,83.38 231.91,80.3 ; 231.91,80.3 231.92,80.3 235,83.38 MX9.1 ; 231.91,80.3 v1(231.12,79.52) ; MX3.1 234.99,102.37 231.87,99.25 231.8,99.25 ; v1(170.61,80.27) 171.27,80.27 172.46,81.46 172.46,83.09 178.18,88.81 190.65,88.81 192.44,90.6 209.69,90.6 210.92,91.83 230.79,91.83 v1(231.09,92.13) ; MX21.1 234.84,45.43 231.93,42.52 231.93,42.45 ; 231.93,42.45 231.93,45.43 ; 231.8,99.25 231.8,102.27 ; 231.8,99.25 231.8,98.9 v1(231.11,98.21)
